# KiCad board AmigaPCI 68040.kicad_pcb (continued)
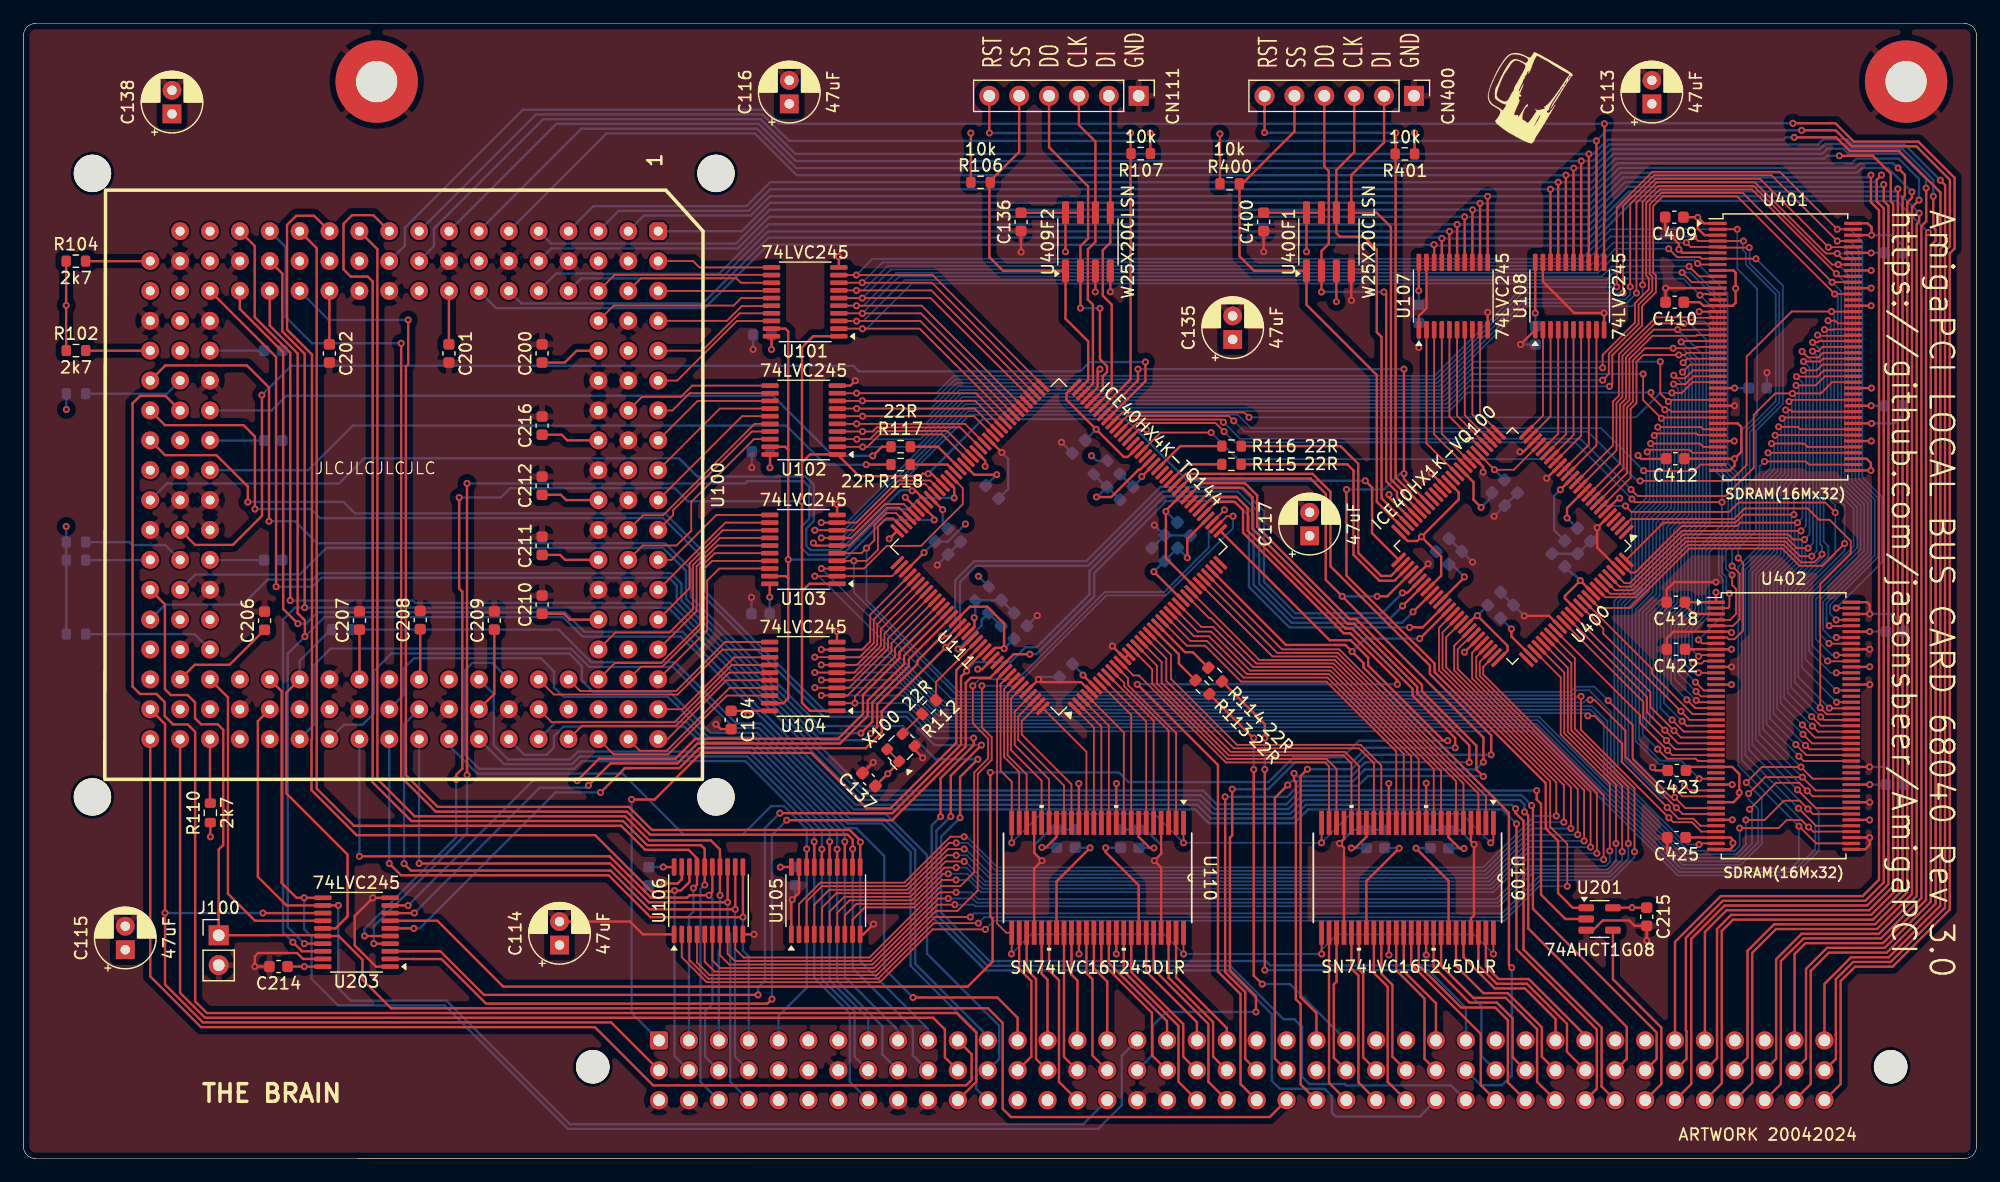
[diagram p0: board, top side]
## Routing (per net, layer and track width the routed paths; a pad name or vN(x,y) marks a point on that pad's centre or on a via; arc(x,y) is an arc through that point) (continued)
D3V3A23: length 132.3
  Top w0.15: U401.42 142.55,58.98 141.99,58.42 137.75,58.42 v1(137.71,58.46) ; U111.105 74.42,55.32 73.4,55.32 70.17,52.1 U103.6 ; 67.74,52.09 67.36,52.09 v1(67.14,52.31) ; 67.74,52.09 67.26,52.09 ; 67.74,52.09 69.15,52.09 ; v1(142.42,26.68) 142.52,26.78 U402.42
  Bottom w0.15: v1(67.14,52.31) 67.35,52.1 69.3,52.1 80.43,63.22 103.2,63.22 104.35,62.07 134.1,62.07 v1(137.71,58.46) 137.94,58.24 137.94,56.16 136.68,54.91 136.68,48.85 135.22,47.39 135.22,32.85 141.39,26.68 v1(142.42,26.68)
D3V3A24: length 153.6
  Top w0.15: 69.16,40.01 67.27,40.01 ; v1(147.98,59.25) 151.5,59.25 151.77,58.98 U401.45 ; U104.4 70.16,40 73.47,43.3 73.47,43.42 73.47,43.42 73.47,44.19 U111.117 ; U402.45 152.37,26.78 v1(150.91,28.24)
  Bottom w0.15: v1(147.98,59.25) 147.56,58.82 147.56,52.09 145.75,50.29 145.75,33.4 v1(150.91,28.24) 150.91,25.33 150.23,24.65 140.87,24.65 128.57,36.95 77.59,36.95 74.52,40.02 v1(67.26,40.02)
D3V3A25: length 154.9
  Top w0.15: U103.4 v1(70.58,50.8) 71.68,50.8 72.62,51.74 72.62,53.69 73.33,54.4 73.92,54.4 U111.107 ; U401.47 v1(148.28,59.98) ; v1(145.87,28.08) 149.18,28.08 149.87,28.77 151.13,28.77 v1(151.73,28.17) 152.11,27.78 U402.47
  Bottom w0.15: 143.78,26.16 141.49,26.16 134.92,32.73 134.92,37.96 133.08,39.8 132.04,39.8 131.59,39.35 79.35,39.35 70.58,48.13 v1(70.58,50.8) ; 143.78,26.16 145.46,26.16 ; 143.78,26.16 145.46,26.16 ; 145.46,26.16 145.87,26.57 v1(145.87,28.08) ; v1(148.28,59.98) 148.51,59.76 148.51,58.69 147.86,58.04 147.86,51.97 146.05,50.16 146.05,33.84 v1(151.73,28.17)
D3V3A26: length 155.1
  Top w0.15: 69.16,39.35 67.82,39.35 ; U111.118 73.77,43.78 73.77,43.07 70.05,39.35 U104.3 ; v1(148.58,60.77) 151.21,60.77 151.23,60.75 151.38,60.75 151.65,60.48 U401.48 ; v1(150.87,29.77) 152.36,28.28 U402.48
  Bottom w0.15: v1(148.58,60.77) 148.81,60.55 148.81,58.57 148.16,57.92 148.16,51.85 146.35,50.04 146.35,34.29 v1(150.87,29.77) 152.3,28.34 152.3,26.29 150.36,24.35 140.75,24.35 128.45,36.65 77.46,36.65 74.76,39.36 v1(67.81,39.36)
D3V3A27: length 154.1
  Top w0.15: 69.15,43.26 67.81,43.26 ; U402.50 152.1,29.28 v1(151.67,29.71) 150.97,30.41 149.64,30.41 148,28.77 v1(146.4,28.77) ; v1(148.88,61.47) 148.89,61.48 U401.50 ; U104.9 71.28,43.25 71.97,43.93 71.97,46.22 U111.112
  Bottom w0.15: v1(67.81,43.26) 73.4,43.26 78.21,38.45 133.32,38.45 134.62,37.16 134.62,32.6 141.36,25.86 145.58,25.86 146.4,26.68 v1(146.4,28.77) ; v1(151.67,29.71) 146.65,34.73 146.65,49.92 148.46,51.72 148.46,57.79 149.11,58.44 149.11,61.25 v1(148.88,61.47)
D3V3A28: length 152.9
  Top w0.15: U111.119 74.07,43.37 74.07,42.66 70.67,39.26 v1(70.67,38.71) 70.66,38.7 U104.2 ; v1(150.78,31.34) 152.34,29.78 U402.51 ; U401.51 151.01,61.98 150.8,62.19 v1(149.18,62.19)
  Bottom w0.15: v1(70.67,38.71) 74.98,38.71 77.38,36.31 128.36,36.31 140.62,24.05 150.48,24.05 152.6,26.17 152.6,29.53 v1(150.78,31.34) 146.95,35.17 146.95,49.79 148.76,51.6 148.76,57.67 149.41,58.32 149.41,61.96 v1(149.18,62.19)
D3V3A29: length 155.9
  Top w0.15: v1(146.72,29.69) 148.97,31.93 150.93,31.93 v1(151.62,31.25) 152.08,30.78 U402.53 ; 69.15,42.61 67.26,42.61 ; v1(149.48,62.9) 149.56,62.98 U401.53 ; U111.113 72.27,45.81 72.27,43.81 71.06,42.6 U104.8
  Bottom w0.15: v1(149.48,62.9) 149.71,62.68 149.71,58.2 149.06,57.55 149.06,51.47 147.25,49.67 147.25,35.61 v1(151.62,31.25) ; v1(67.26,42.61) 73.62,42.61 78.08,38.15 133.2,38.15 134.32,37.03 134.32,32.48 141.24,25.56 145.7,25.56 146.92,26.78 146.92,29.49 v1(146.72,29.69)
D3V3A30: length 154.3
  Top w0.15: 69.15,41.3 67.26,41.3 ; U401.54 150.32,63.48 150.18,63.62 v1(149.78,63.62) ; v1(146.63,31.02) 148.03,32.41 v1(151.2,32.41) 152.33,31.28 U402.54 ; U111.115 72.87,44.99 72.87,43.56 70.61,41.3 U104.6
  Bottom w0.15: v1(151.2,32.41) 147.55,36.06 147.55,49.54 149.36,51.35 149.36,57.42 150.01,58.07 150.01,63.4 v1(149.78,63.62) ; v1(146.63,31.02) 146.63,30.52 147.45,29.7 147.45,26.88 145.83,25.26 141.11,25.26 128.82,37.55 77.84,37.55 74.08,41.31 v1(67.26,41.31)
D3V3A31: length 154.6
  Top w0.15: U111.116 73.17,44.59 73.17,43.55 73.17,43.54 73.17,43.44 70.38,40.65 U104.5 ; 69.16,40.66 67.82,40.66 ; v1(150.06,64.34) 150.21,64.48 U401.56 ; v1(146.44,31.95) 147.76,33.27 v1(151.08,33.27) 152.07,32.28 U402.56
  Bottom w0.15: v1(150.06,64.34) 150.31,64.1 150.31,57.95 149.66,57.3 149.66,51.22 147.85,49.42 147.85,36.49 151.07,33.27 v1(151.08,33.27) ; v1(67.81,40.67) 74.3,40.67 77.71,37.25 128.7,37.25 140.99,24.96 145.95,24.96 147.75,26.75 147.75,30.64 v1(146.44,31.95)
D3V3B0: length 33.7
  Top w0.15: U109.2 124.3,30.32 124.31,30.32 124.31,30.8 111.83,43.27 106.97,43.27 U111.33
D3V3B1: length 32.2
  Top w0.15: U111.28 100.79,45.92 100.93,45.92 104.78,42.07 111.33,42.07 120.49,32.91 U109.8
D3V3B2: length 32.8
  Top w0.15: U109.5 122.4,31.86 111.58,42.67 106.16,42.67 U111.31
D3V3B3: length 33.4
  Top w0.15: U111.32 106.56,42.97 111.71,42.97 123.67,31.01 U109.3
D3V3B4: length 32.7
  Top w0.15: U111.29 105.04,42.37 111.46,42.37 121.76,32.07 U109.6
D3V3B5: length 31.5
  Top w0.15: U109.11 118.59,33.97 111.09,41.47 104.25,41.47 100.93,44.78 99.8,44.78 U111.25
D3V3B6: length 32.1
  Top w0.15: U109.9 119.86,29.75 119.87,29.76 119.87,33.11 111.21,41.77 104.51,41.77 101.1,45.18 100.11,45.18 U111.26
D3V3B7: length 31.2
  Top w0.15: U111.24 99.5,44.38 100.77,44.38 103.98,41.17 110.96,41.17 117.95,34.18 U109.12
D3V3B8: length 30.9
  Top w0.15: U109.13 117.32,34.39 110.84,40.87 103.71,40.87 100.6,43.98 99.19,43.98 U111.23
D3V3B9: length 30.6
  Top w0.15: U111.22 98.88,43.58 100.44,43.58 103.49,40.53 110.75,40.53 116.68,34.6 U109.14
D3V3B10: length 30
  Top w0.15: U109.17 114.78,33.61 113.52,34.86 102.87,34.86 97.14,40.6 97.14,42.5 U111.18
D3V3B11: length 30.4
  Top w0.15: U109.16 115.41,33.4 113.65,35.16 103.14,35.16 97.54,40.76 97.54,42.81 U111.19
D3V3B12: length 28.3
  Top w0.15: U109.20 112.87,33.58 112.19,34.26 102.45,34.26 96.34,40.37 96.34,41.88 U111.16
D3V3B13: length 26.2
  Top w0.15: U109.23 110.97,33.32 110.62,33.66 102.2,33.66 94.81,41.05 94.34,41.05 U111.12
D3V3B14: length 14.2
  Top w0.15: U110.5 96.06,37.21 U111.9
D3V3B15: length 14.9
  Top w0.15: U110.3 97.33,36.37 93.56,40.13 93.56,40.42 U111.10
D3V3B16: length 28.7
  Top w0.15: U109.19 113.51,33.37 112.32,34.56 102.61,34.56 96.74,40.43 96.74,42.19 U111.17
D3V3B17: length 15.4
  Top w0.15: U111.11 93.88,40.81 93.88,40.25 97.97,36.16 U110.2
D3V3B18: length 26.8
  Top w0.15: U109.22 111.6,30.31 111.61,30.31 111.61,33.1 110.75,33.96 102.32,33.96 95.94,40.35 95.94,41.58 U111.15
D3V3B19: length 13
  Top w0.15: U110.8 94.16,37.7 U111.7
D3V3B20: length 11.4
  Top w0.15: U111.3 92.25,36.78 U110.11
D3V3B21: length 12.6
  Top w0.15: U110.19 87.17,32.22 84.25,35.15 84.25,37.99 U111.141
D3V3B22: length 10.9
  Top w0.15: U110.12 91.62,36.71 U111.2
D3V3B23: length 12.1
  Top w0.15: U111.4 93.52,36.22 U110.9
D3V3B24: length 12.9
  Top w0.15: U111.138 83.65,39.51 83.65,34.26 85.27,32.64 U110.22
D3V3B25: length 13.7
  Top w0.15: U111.8 95.43,37.14 U110.6
D3V3B26: length 13
  Top w0.15: U110.20 86.54,32.12 83.95,34.7 83.95,39.1 U111.139
D3V3B27: length 11.3
  Top w0.15: U110.14 90.35,34.57 U111.144
D3V3B28: length 13.1
  Top w0.15: U110.23 84.63,32.85 83.35,34.14 83.35,39.92 U111.137
D3V3B29: length 10.4
  Top w0.15: U110.13 90.98,36.64 U111.1
D3V3B30: length 12.6
  Top w0.15: U110.17 88.44,31.7 84.55,35.59 84.55,37.58 U111.142
D3V3B31: length 12.4
  Top w0.15: U110.16 89.08,31.8 84.85,36.03 84.85,37.18 U111.143
GND: length 321.7
  Top w0.2: U106.19 55.95,23.72 55.6,23.37 v1(54.44,23.37) ; v1(138.47,33.24) 138.73,32.98 C423.2 ; 130.55,58.9 v1(129.47,57.82) ; U105.1 65.26,21.92 v1(65.34,21.99) 65.91,22.57 U105.19 ; U402.78 v1(156.93,43.28) ; C422.2 139.68,44.21 140.25,44.78 U402.6 145.1,44.78 v1(145.18,44.71) ; U402.84 v1(156.93,46.28) 156.93,47.06 156.71,47.28 U402.86 ; C214.2 v1(19.66,16.31) 19.66,17.17 19.95,17.46 23.25,17.46 23.76,16.96 U203.19 ; 124.45,70.44 124.45,71.92 v1(124.45,71.92) ; 71.31,32.76 v1(72.23,33.67) ; U402.38 v1(145.25,28.78) ; U401.46 156.66,59.48 157.03,59.11 v1(157.03,58.48) U401.44 ; C409.2 139.54,78.91 140.71,77.74 v1(140.71,77.27) 141,76.98 U401.6 ; U400.70 v1(122.48,43.03) ; U400.23 127.49,60.06 v1(127.19,60.06) ; U402.52 v1(156.93,30.28) ; U108.10 v1(134.35,71.86) 131.82,71.86 129.15,74.53 U108.19 ; v1(124.07,58.34) 124.07,58.8 U400.32 ; U111.69 91.3,65.55 91.3,66.9 v1(91.5,67.1) ; v1(62.09,19.05) 62.08,19.05 U106.10 ; U109.28 112.24,26.41 v1(111.87,26.78) 112.24,27.15 U109.21 ; v1(92.55,43.55) U111.13 U111.14 ; 82.05,61.12 v1(83.16,60.01) ; U107.19 119.25,72.27 118.6,71.62 U107.1 ; U400.98 133.76,51.93 v1(133.76,53.61) 134.81,54.66 ; U402.46 156.91,27.28 v1(156.92,27.27) 156.92,26.65 156.55,26.28 U402.44 ; C136.1 84.79,77.06 v1(84.8,77.05) ; v1(137.23,59.76) 137.53,59.46 139.6,59.46 ; U201.3 133.41,19.41 134.23,20.23 136.48,20.23 136.94,19.77 C215.2 v1(137.97,18.51) ; 118.31,49.46 v1(119.39,50.54) ; U401.52 v1(157.08,62.48) ; 139.58,72.46 v1(139.58,73.98) U401.12 ; v1(116.06,17.3) 116.05,17.31 U109.34 ; 75.74,34.74 v1(76.43,34.05) ; U109.45 123.03,20.41 123.29,20.67 v1(123.29,26.7) 123.03,26.96 U109.4 ; U400.84 129.67,46.12 v1(127.56,46.12) ; U402.12 v1(145.18,41.78) ; U401.38 v1(145.41,60.98) ; U401.72 v1(157.05,72.48) ; C425.2 139.73,25.99 ; U105.10 71.38,19.05 v1(72.26,19.92) ; U203.10 29.69,22.16 v1(29.69,22.15) 28.15,20.61 28.15,18.12 29.96,16.31 U203.1 ; v1(58.86,36.91) 59.27,36.5 C104.2 ; U111.132 81.49,41.59 v1(81.11,41.59) ; U401.32 v1(145.43,63.98) ; C400.1 105.41,77.08 v1(105.42,77.07) ; U409F2.4 v1(92.38,73.66) ; U402.32 v1(145.24,31.78) ; U110.21 85.9,25.98 v1(86.57,25.32) 85.9,24.65 U110.28 ; 128.5,70.44 v1(127.25,69.19) ; U109.39 119.22,17.3 v1(119.23,17.29) ; U401.78 v1(157.05,75.48) ; v1(119.23,31.9) 119.22,31.9 U109.10 ; v1(89.72,17.38) 89.71,17.39 U110.34 ; U401.86 156.76,79.48 157.09,79.15 v1(157.09,78.48) U401.84 ; U104.10 69.14,44.81 v1(69.15,44.81) ; U102.10 70.28,65.69 v1(70.7,66.11) ; U400.47 116.07,56.19 v1(116.07,56.43) ; v1(143.86,48.99) 140.31,48.99 139.67,48.35 C418.2 ; U110.45 96.7,24.74 v1(96.12,25.32) 96.7,25.89 U110.4 ; U402.72 v1(156.94,40.28) ; v1(112.87,72.94) 112.86,72.95 U400F1.4 ; U106.1 52.64,19.05 51.55,20.14 C114.2 ; U109.15 v1(116.05,31.87) ; U101.10 69.3,76.65 v1(69.3,76.65) ; U110.10 92.89,31.86 v1(92.9,31.87) ; U110.15 89.71,31.86 v1(89.7,31.87) ; U401.58 v1(157.07,65.48) ; v1(92.89,17.38) 92.89,17.39 U110.39 ; U402.58 v1(156.92,33.28) ; U103.10 69.15,55.61 v1(69.15,55.61) ; v1(95.45,61.94) 94.76,61.94 U111.59 ; 120.78,57.14 v1(119.66,58.26) ; 85.23,39.69 v1(86.27,40.72) 86.5,40.49 89.88,40.49 90.69,39.68 ; 76.04,55.11 v1(74.95,56.2)
  Bottom w0.2: 61.9,60.12 61.9,58.72 ; 62.03,68.77 C101.2 ; C407.2 159.7,77.61 158.83,78.48 v1(157.09,78.48) ; 128.51,69.19 v1(127.25,69.19) ; C408.2 159.73,63.17 159.04,62.48 v1(157.08,62.48) ; 61.9,58.72 v1(61.9,58.72) ; 132.12,51.4 C403.2 133.76,53.03 v1(133.76,53.61) ; C121.2 C112.2 113.02,27.93 v1(111.87,26.78) ; v1(86.57,25.32) 85.96,25.93 85.96,26.68 87.25,27.97 C109.2 ; 97,52.97 C125.2 ; 119.58,27.92 C111.2 122.07,27.92 v1(123.29,26.7) ; C130.2 88.8,60.29 ; v1(96.12,25.32) 96.72,25.92 96.72,26.61 95.38,27.95 C110.2 C119.2 ; C107.2 v1(118.6,68.92) ; 61.88,46.16 61.88,47.68 v1(61.87,47.69) ; v1(83.16,60.01) 83.7,59.47 83.7,56.91 C122.2 ; 89.14,59.96 v1(88.23,60.87) ; v1(127.56,46.12) 127.56,46.13 C414.2 ; C411.2 148.18,66.8 v1(148.19,66.8) ; C127.2 v1(86.17,46.14) ; 78.57,51.34 v1(77.67,50.44) ; C417.2 158.36,33.28 v1(156.92,33.28) ; C106.2 54.27,23.21 v1(54.44,23.37) ; v1(125,54.59) 125,54.59 C405.2 ; v1(65.34,21.99) 65.6,22.25 C105.2 ; C406.2 132.09,51.41 ; C126.2 C123.2 ; v1(156.93,46.28) 158.85,46.28 159.85,45.28 C413.2 ; C128.2 97.02,52.96 ; C416.2 123.16,50.69 v1(123.17,50.69) ; 96.97,52.98 v1(96.12,53.83) ; C129.2 86.48,40.93 v1(86.27,40.72) ; 62.03,68.76 v1(62.02,68.77) ; C118.2 87.84,27.96
/Card Connector/CLK40: length 6.4
  Top w0.15: U111.128 77.55,40.49 R112.1
/Card Connector/U409_CRESET: length 39.8
  Top w0.2: CN111.6 82.09,87.18 v1(82.1,87.17) ; U111.66 94.1,66.22 v1(94.1,87.16)
  Bottom w0.2: v1(82.1,87.17) 82.11,87.16 v1(94.1,87.16)
/Card Connector/U409_SCK: length 26.7
  Top w0.2: CN111.3 89.71,87.84 91.11,86.44 U409F2.6 91.11,77.91 90.47,77.27 90.47,73 90.9,72.57 90.9,65.85 U111.70
/Card Connector/U409_SDI: length 27.4
  Top w0.2: U111.67 92.5,65.33 92.5,72.58 91.74,73.34 91.74,77.2 92.38,77.84 U409F2.5 92.38,90.19
/Card Connector/U409_SDO: length 30.1
  Top w0.2: U111.68 91.74,65.28 91.74,66.49 92.1,66.85 92.1,67.35 91.5,67.95 v1(91.5,72.26) ; CN111.4 87.17,85.95 90.49,82.63 90.49,78.2 89.84,77.55 U409F2.2 v1(89.84,72.28)
  Bottom w0.2: v1(89.84,72.28) 91.48,72.28 v1(91.5,72.26)
/Card Connector/U409_SS: length 32.9
  Top w0.2: U111.71 90.5,66.16 90.5,69.45 88.57,71.38 U409F2.1 83.27,75.44 82.1,76.61 82.1,83.02 84.63,85.55 CN111.5
/CPU/_CDIS: length 5.5
  Top w0.2: U100.166 5.29,68.66
/CPU/_MDIS: length 8.5
  Bottom w0.2: U100.150 12.19,65 R103.2
/CPU/_TIP: length 11.1
  Bottom w0.2: R105.2 14.54,44.57 U100.141
/CPU/SC0: length 5.5
  Bottom w0.2: R100.2 10.75,50.86
/CPU/SC1: length 8.7
  Bottom w0.2: U100.156 12.05,52.14 9.24,52.14 8.99,52.39 R101.2
/CPU/TDO: length 5.5
  Top w0.2: R104.2 10.76,76.27
/Fast Memory/U109_CRESET: length 47.1
  Top w0.2: v1(105.49,87.2) CN400.6 ; U400.44 117.88,56.5 117.88,56.64 116.63,57.89 116.63,87.16 v1(116.65,87.18)
  Bottom w0.2: v1(116.65,87.18) 105.51,87.18 v1(105.49,87.2)
/Fast Memory/U109_SCK: length 40.7
  Top w0.2: CN400.3 113.11,85.53 111.59,84.02 U400F1.6 111.59,78.65 111.9,78.34 113.93,78.34 115.03,77.24 115.03,70.23 115.43,69.83 115.43,56.12 U400.48
/Fast Memory/U109_SDI: length 40.1
  Top w0.2: CN400.2 115.65,86.37 112.86,83.59 U400F1.5 115.01,80.39 116.23,79.17 116.23,57.73 117.26,56.69 117.26,56.41 U400.45
/Fast Memory/U109_SDO: length 42.5
  Top w0.2: U400F1.2 110.32,77.13 110.95,77.75 110.95,83.94 110.57,84.32 CN400.4 ; v1(110.33,73.65) 110.33,75.44 ; U400.46 116.75,56.22 116.75,56.64 115.83,57.56 115.83,73.45 v1(115.63,73.65)
  Bottom w0.2: v1(110.33,73.65) v1(115.63,73.65)
/Fast Memory/U109_SS: length 47
  Top w0.2: CN400.5 108.03,87.29 103.36,82.62 103.36,76.69 104.61,75.44 U400F1.1 109.05,72.57 115.03,66.59 115.03,55.81 U400.49
_BB: length 82.3
  Top w0.2: U100.178 12.03,36.92 v1(12.03,20.87) 12.03,14.79 15.25,11.56 49.95,11.56 CN100.b1 ; U203.13 20.35,20.86 v1(20.35,20.86)
  Bottom w0.2: v1(12.03,20.87) 12.04,20.86 v1(20.35,20.86)
_BB-3V: length 138.4
  Top w0.2: U203.7 35.17,20.21 40.77,14.61 80.25,14.61 82.37,16.73 82.37,20.38 82.17,20.58 v1(82.17,32.81) ; v1(121.06,35.51) 120.69,35.51 114.3,41.9 114.3,42.56 112.81,44.05 111.02,44.05 U111.37
  Bottom w0.2: v1(121.06,35.51) 113.51,35.51 112.09,34.09 107.93,34.09 105.84,31.99 93.93,31.99 93.11,32.81 v1(82.17,32.81)
_BG: length 136.7
  Top w0.2: 25.36,18.98 20.75,18.98 20.74,18.97 J100.1 16.59,26.26 16.98,26.65 16.98,36.43 16.51,36.9 15.1,36.9 14.58,37.42 14.58,38.76 13.95,39.39 12.52,39.39 12.02,39.89 12.02,47.09 U100.174 ; CN100.c22 105.93,3.52 83.93,3.52 83.23,4.22 83.23,11.52 81.99,12.76 31.25,12.76 28.81,15.2 28.81,16.89 26.79,18.91 U203.16
_BG-3V: length 96.2
  Top w0.2: 31.16,18.26 29.77,18.26 v1(29.77,18.26) ; 37.7,33.6 37.7,33.6 v1(37.7,32.59) ; 37.7,33.6 37.7,32.91 ; 37.7,33.6 v1(37.7,57.38) ; v1(79.11,56.14) 79.11,56.99 U111.96
  Bottom w0.2: v1(37.7,57.38) 37.7,57.37 61.34,57.37 61.54,57.57 66.31,57.57 66.78,57.1 66.78,54.36 66.14,53.72 66.14,51.9 66.72,51.31 69.61,51.31 73.49,55.19 75.26,55.19 76.21,56.14 v1(79.11,56.14) ; v1(37.7,32.59) 37.7,27.65 29.77,19.72 v1(29.77,18.26)
_BR: length 97.8
  Top w0.2: CN100.a11 80.58,8.87 80.58,6.68 80.11,6.21 53.52,6.21 48.57,11.16 15.09,11.16 10.77,15.48 U100.179
_BUFEN: length 74.5
  Top w0.15: v1(110.34,17.38) 110.33,17.39 U109.25 ; v1(83.97,17.38) 84,17.41 U110.25 83.53,19.19 82.75,19.97 82.75,40.73 U111.135 ; U109.48 v1(124.94,17.38) ; U110.48 98.6,17.39 v1(98.61,17.38)
  Bottom w0.15: v1(124.94,17.38) 123.28,19.04 111.63,19.04 110.34,17.75 v1(110.34,17.38) v1(98.61,17.38) 96.94,19.05 85.64,19.05 v1(83.97,17.38)
_CPUBG: length 53.2
  Top w0.2: 65,60.22 64.73,60.49 63.45,60.49 ; 65,60.22 65,70.3 64.76,70.54 63.58,70.54 ; 65,60.22 v1(65,50.9) 65,49.3 ; 65,49.3 64.8,49.5 U103.19 ; 65,49.3 65,39.1 64.59,38.7 U104.19 ; U111.102 77.41,54.45 v1(77.41,54.27)
  Bottom w0.2: v1(77.41,54.27) 73.14,54.27 69.77,50.9 v1(65,50.9)
_CPURST: length 133.3
  Top w0.2: CN100.c11 80.98,6.52 80.98,10.69 79.31,12.36 15.59,12.36 14.59,13.36 14.59,36.26 13.96,36.89 12.71,36.89 12,37.6 12,38.79 11.31,39.48 9.9,39.48 9.27,40.11 9.27,64.18 9.9,64.81 12.08,64.81 U100.151
_DSACK0: length 64
  Top w0.2: U111.129 79.29,41.51 79.29,35.34 73.69,29.75 71.67,29.75 66.95,34.47 57.61,34.47 53.64,30.51 v1(51.68,30.51)
  Bottom w0.2: v1(51.68,30.51) 51.69,30.5 51.69,12.36 CN100.a1
_DSACK1: length 86.1
  Top w0.2: v1(124.09,32.47) 123.49,33.07 123.49,35.09 118.87,39.71 118.87,40.25 113.27,45.84 112.71,45.84 104.86,53.69 104.86,56.37 103.83,57.39 100.12,57.39 U111.45 ; v1(102.14,30.74) 102.14,15.84 103.84,14.13 103.84,8.47 CN100.b21
  Bottom w0.2: v1(124.09,32.47) 124.06,32.5 114.27,32.5 113.44,31.67 108.35,31.67 107.42,30.74 v1(102.14,30.74)
_EM0CS: length 21.5
  Top w0.15: U400.9 136,58.68 136,63.97 136.5,64.47 136.5,67.97 138.46,69.93 142.18,69.93 142.24,69.98 U401.20
_EM1CS: length 15.4
  Top w0.15: U400.90 138.43,41.6 138.43,41.2 141.85,37.78 U402.20
_EMCAS: length 58.5
  Top w0.15: v1(142.17,38.94) 142.33,38.78 U402.18 ; 143.99,70.97 141.14,70.97 v1(141.14,70.97) 141.13,70.98 138.67,70.98 135.9,68.21 135.9,64.72 135.4,64.22 135.4,60.2 U400.12
  Bottom w0.15: v1(142.17,38.94) 140.34,40.77 140.34,45.3 141.78,46.74 141.78,52.79 143.04,54.05 143.04,69.59 141.66,70.97 v1(141.14,70.97)
_EMRAS: length 58.5
  Top w0.15: U400.10 135.7,59.09 135.7,64.09 136.2,64.59 136.2,68.09 138.57,70.45 v1(140.6,70.45) 140.6,70.45 143.97,70.45 ; v1(141.39,38.99) 142.09,38.28 U402.19
  Bottom w0.15: v1(141.39,38.99) 140.04,40.34 140.04,45.42 141.48,46.86 141.48,52.92 142.74,54.17 142.74,68.31 v1(140.6,70.45)
_EMWE: length 59.3
  Top w0.15: U402.17 142.58,39.28 v1(142.16,39.7) ; U400.13 135.1,60.61 135.1,64.34 135.6,64.84 135.6,68.34 138.76,71.5 141.75,71.5 v1(141.76,71.49) 141.79,71.46 143.98,71.46
  Bottom w0.15: 143.34,69.51 143.34,70.67 142.87,71.14 142.11,71.14 v1(141.76,71.49) ; 143.34,69.51 143.34,70.23 ; 143.34,69.51 143.34,53.92 142.08,52.67 142.08,46.61 140.64,45.17 140.64,41.22 v1(142.16,39.7)
_IPL0: length 154.4
  Top w0.2: v1(77.95,29.05) 77.95,32.31 80.76,35.12 v1(80.76,35.74) ; v1(19.07,55.79) 19.07,57.11 16.4,59.78 12.03,59.78 U100.169
  Bottom w0.2: CN100.c27 118.67,3.56 111.53,3.56 111.22,3.87 111.22,5.29 110.58,5.93 106.78,5.93 106.1,6.61 106.1,12.27 102.39,15.98 81.78,15.98 77.2,20.56 77.2,28.3 v1(77.95,29.05) ; v1(19.07,55.79) 19.08,55.8 27.21,55.8 28.18,54.83 54.53,54.83 57.92,51.45 57.92,48.23 68.2,37.95 75.21,37.95 77.42,35.74 v1(80.76,35.74)
_IPL1: length 157.9
  Top w0.2: v1(78.82,29.07) 78.82,32.54 v1(81.42,35.14) ; v1(19.67,55.2) 19.67,61.36 18.7,62.33 12.02,62.33 U100.168
  Bottom w0.2: v1(81.42,35.14) 77.46,35.14 75.04,37.55 68.03,37.55 57.52,48.06 57.52,51.28 54.37,54.43 25.2,54.43 24.43,55.2 v1(19.67,55.2) ; v1(78.82,29.07) 77.6,27.85 77.6,20.73 81.94,16.38 102.55,16.38 107.09,11.84 108.01,11.84 108.68,11.17 108.68,6.94 109.29,6.33 112.29,6.33 112.41,6.21 121.34,6.21 CN100.c28
_IPL2: length 162.3
  Top w0.2: v1(79.61,28.96) 79.61,32.43 v1(81.12,33.94) ; U100.167 12.06,67.41 18.99,67.41 20.87,65.53 v1(20.87,54.16)
  Bottom w0.2: CN100.b29 123.93,8.7 123.93,12.94 120.46,16.41 105.97,16.41 105.6,16.78 82.11,16.78 78,20.89 78,27.35 v1(79.61,28.96) ; v1(81.12,33.94) 77.53,33.94 74.71,36.75 67.7,36.75 56.72,47.73 56.72,50.11 54.53,52.29 24.95,52.29 23.08,54.16 v1(20.87,54.16)
_LBEN: length 91
  Top w0.2: v1(124.09,33.69) 124.09,35.78 v1(112.09,47.78) 110.69,49.18 110.69,56.51 109.4,57.79 99.1,57.79 U111.47 ; U400.54 115.91,47.78 v1(115.06,47.78) ; v1(107.46,31.74) 106.36,30.65 106.36,8.49 CN100.b22
  Bottom w0.2: v1(115.06,47.78) 112.09,47.78 v1(112.09,47.78) ; v1(107.46,31.74) 107.79,32.07 113.01,32.07 114.01,33.07 123.47,33.07 v1(124.09,33.69)
_LLBE: length 92.2
  Top w0.15: v1(142.12,40.48) 142.82,39.78 U402.16 ; v1(102.05,61.78) 101.32,62.51 94.63,62.51 U111.60 ; v1(144.37,55.78) 136.98,55.78 v1(136.71,56.05) ; U401.16 v1(142.43,71.98)
  Bottom w0.15: v1(102.05,61.78) 102.96,60.87 131.89,60.87 v1(136.71,56.05) ; v1(142.43,71.98) 143.1,71.98 143.64,71.44 143.64,58.6 144.37,57.86 v1(144.37,55.78) 144.37,53.89 142.38,51.9 142.38,46.49 140.94,45.05 140.94,41.66 v1(142.12,40.48)
_LMBE: length 113.7
  Top w0.15: U111.62 93.81,63.11 102.45,63.11 v1(102.87,62.7) ; v1(154.1,39.78) U402.71 ; v1(137.41,57.59) 145.11,57.59 146.47,58.95 146.47,68.17 150.29,71.99 v1(153.68,71.99) 153.69,71.98 U401.71
  Bottom w0.15: v1(154.1,39.78) 151.45,42.43 151.45,47.93 155.56,52.03 155.56,55.25 153.91,56.9 153.91,71.76 v1(153.68,71.99) ; v1(137.41,57.59) 137.16,57.59 132.98,61.77 103.79,61.77 v1(102.87,62.7)
_LOCK: length 91.8
  Top w0.2: CN100.b11 78.32,8.59 78.32,10.96 77.32,11.96 15.42,11.96 13.31,14.07 U100.162
_RESET: length 71.7
  Top w0.2: 111.41,43.65 112.36,43.65 v1(112.92,43.08) 113.9,42.11 113.9,41.74 126.26,29.38 126.26,16.45 v1(126.5,16.21) ; 111.41,43.65 107.3,43.65 U111.34 ; 111.41,43.65 112.28,43.65 ; U400.63 118.69,44.19 v1(118.67,44.19)
  Bottom w0.2: v1(118.67,44.19) 114.03,44.19 v1(112.92,43.08) ; v1(126.5,16.21) 126.5,7.05 125.67,6.22 123.87,6.22 CN100.b28
_RSTO: length 157.9
  Top w0.2: U100.129 21.47,68.12 v1(21.47,48.6) ; v1(128.62,31.27) 128.62,30.51 128.99,30.14 128.99,22.42 131.06,20.36 U201.2
  Bottom w0.2: v1(128.62,31.27) 108.51,31.27 107.35,30.1 101.42,30.1 100.25,31.27 71.48,31.27 55.52,47.24 55.52,48.7 54.87,49.35 25.3,49.35 24.55,48.6 v1(21.47,48.6)
_RSTOUT: length 16.7
  Top w0.2: CN100.c34 139.21,6.33 139.21,11.13 135.1,15.24 U201.4
_TA-CPU: length 139.6
  Top w0.2: v1(72.01,36.14) 72.55,36.68 72.55,38.6 75.98,42.02 75.98,42.3 v1(78.07,44.4) 78.64,44.4 U111.124 ; v1(117.21,48.07) 117.62,48.07 U400.56
  Bottom w0.2: v1(78.07,44.4) 79.2,45.53 79.2,49.17 80.8,50.77 90.33,50.77 96.64,57.08 103.39,57.08 105.44,55.03 105.44,49.01 108.11,46.34 115.48,46.34 v1(117.21,48.07) ; U100.175 12.05,47.08 18.62,47.08 20.74,49.2 24.58,49.2 25.13,49.75 55.03,49.75 55.92,48.87 55.92,47.4 67.77,35.55 71.43,35.55 v1(72.01,36.14)
_TBI: length 82.3
  Top w0.2: CN100.a23 109.9,12.35 108.55,13.7 108.55,32.51 v1(109.13,33.09) ; U111.48 98.79,58.19 109.57,58.19 111.09,56.67 111.09,50.34 119.12,42.31 119.14,42.31 119.54,41.9 119.54,41.18 124.75,35.97 v1(124.75,34.31)
  Bottom w0.2: v1(109.13,33.09) 112.9,33.09 114.12,34.31 124.74,34.31 v1(124.75,34.31)
_TBI-CPU: length 101.6
  Top w0.2: v1(20.26,64.88) 20.27,64.87 20.27,54.63 17.79,52.15 14.58,52.15 U100.155 ; U111.64 95.36,66.08 v1(95.36,67.7)
  Bottom w0.2: v1(95.36,67.7) 90.62,67.7 89.82,66.9 71.02,66.9 70.54,67.37 22.75,67.37 v1(20.26,64.88)
_TCI: length 80.4
  Top w0.2: v1(107.99,32.73) 107.99,32.14 108.15,31.98 108.15,13.54 108.56,13.13 108.56,6.29 CN100.c23 ; U111.43 101.13,56.99 103.67,56.99 104.46,56.2 104.46,53.53 112.54,45.44 113.11,45.44 118.47,40.08 118.47,39.54 122.89,35.12 v1(122.89,33.67)
  Bottom w0.2: v1(107.99,32.73) 108.26,32.47 112.85,32.47 114.05,33.67 v1(122.89,33.67)
_TCI-CPU: length 77.1
  Top w0.2: U111.101 75.81,56.75 v1(75.53,56.75)
  Bottom w0.2: U100.171 12.18,57.37 26.82,57.37 28.96,59.51 55.73,59.51 57.27,57.97 66.47,57.97 67.18,57.26 67.18,54.19 66.54,53.55 66.54,52.06 66.89,51.71 69.45,51.71 74.54,56.8 75.48,56.8 v1(75.53,56.75)
_TEA: length 86.3
  Top w0.2: v1(94.67,40.3) 101.53,33.44 101.53,15.88 103.44,13.97 103.44,6.33 CN100.c21 ; v1(116.78,40.3) 116.78,40.64 112.78,44.64 112.21,44.64 103.66,53.2 103.66,55.12 102.97,55.8 101.35,55.8 U111.41
  Bottom w0.2: v1(116.78,40.3) v1(94.67,40.3)
_TEA-CPU: length 80.3
  Top w0.2: v1(71.18,36.15) 72.15,37.13 72.15,38.76 75.25,41.86 75.25,42.43 U111.122
  Bottom w0.2: U100.157 14.6,49.63 22.18,49.63 22.2,49.65 23.5,49.65 25.74,51.89 54.37,51.89 56.32,49.94 56.32,47.57 67.73,36.15 v1(71.18,36.15)
_TS: length 86.9
  Top w0.2: v1(102.74,31.39) 102.74,27.46 102.55,27.27 102.55,15.99 104.76,13.78 v1(104.76,12.45) ; v1(121.69,34.91) 121.69,35.73 118.07,39.35 118.07,39.92 112.94,45.04 112.38,45.04 104.06,53.36 104.06,55.28 103.14,56.2 101.05,56.2 U111.42
  Bottom w0.2: v1(102.74,31.39) 105.8,31.39 108.1,33.69 112.93,33.69 114.15,34.91 v1(121.69,34.91) ; v1(104.76,12.45) 97.14,12.45 96,11.31 96,8.83 CN100.b17
_TS-3V: length 118.8
  Top w0.2: 51.65,33.18 51.12,33.18 v1(49.05,31.11) ; 51.65,33.18 55.75,33.18 57.44,34.87 71.6,34.87 72.95,36.23 72.95,37.88 ; 51.65,33.18 51.1,33.18 ; 72.95,38.01 72.95,37.88 ; 72.95,38.01 v1(78.4,43.45) U111.125 ; 72.95,38.01 72.95,37.88 ; v1(33.18,19.55) 33.17,19.56 31.16,19.56 ; 119.01,48.75 v1(117.22,46.96)
  Bottom w0.2: v1(117.22,46.96) 116.2,45.94 107.94,45.94 105.04,48.84 105.04,54.86 103.22,56.68 96.8,56.68 90.49,50.37 80.97,50.37 79.6,49 79.6,44.65 v1(78.4,43.45) ; v1(49.05,31.11) 45.22,31.11 33.66,19.55 v1(33.18,19.55)